# Altium PCB roach2.PcbDoc (part 24 of 39) (continued)
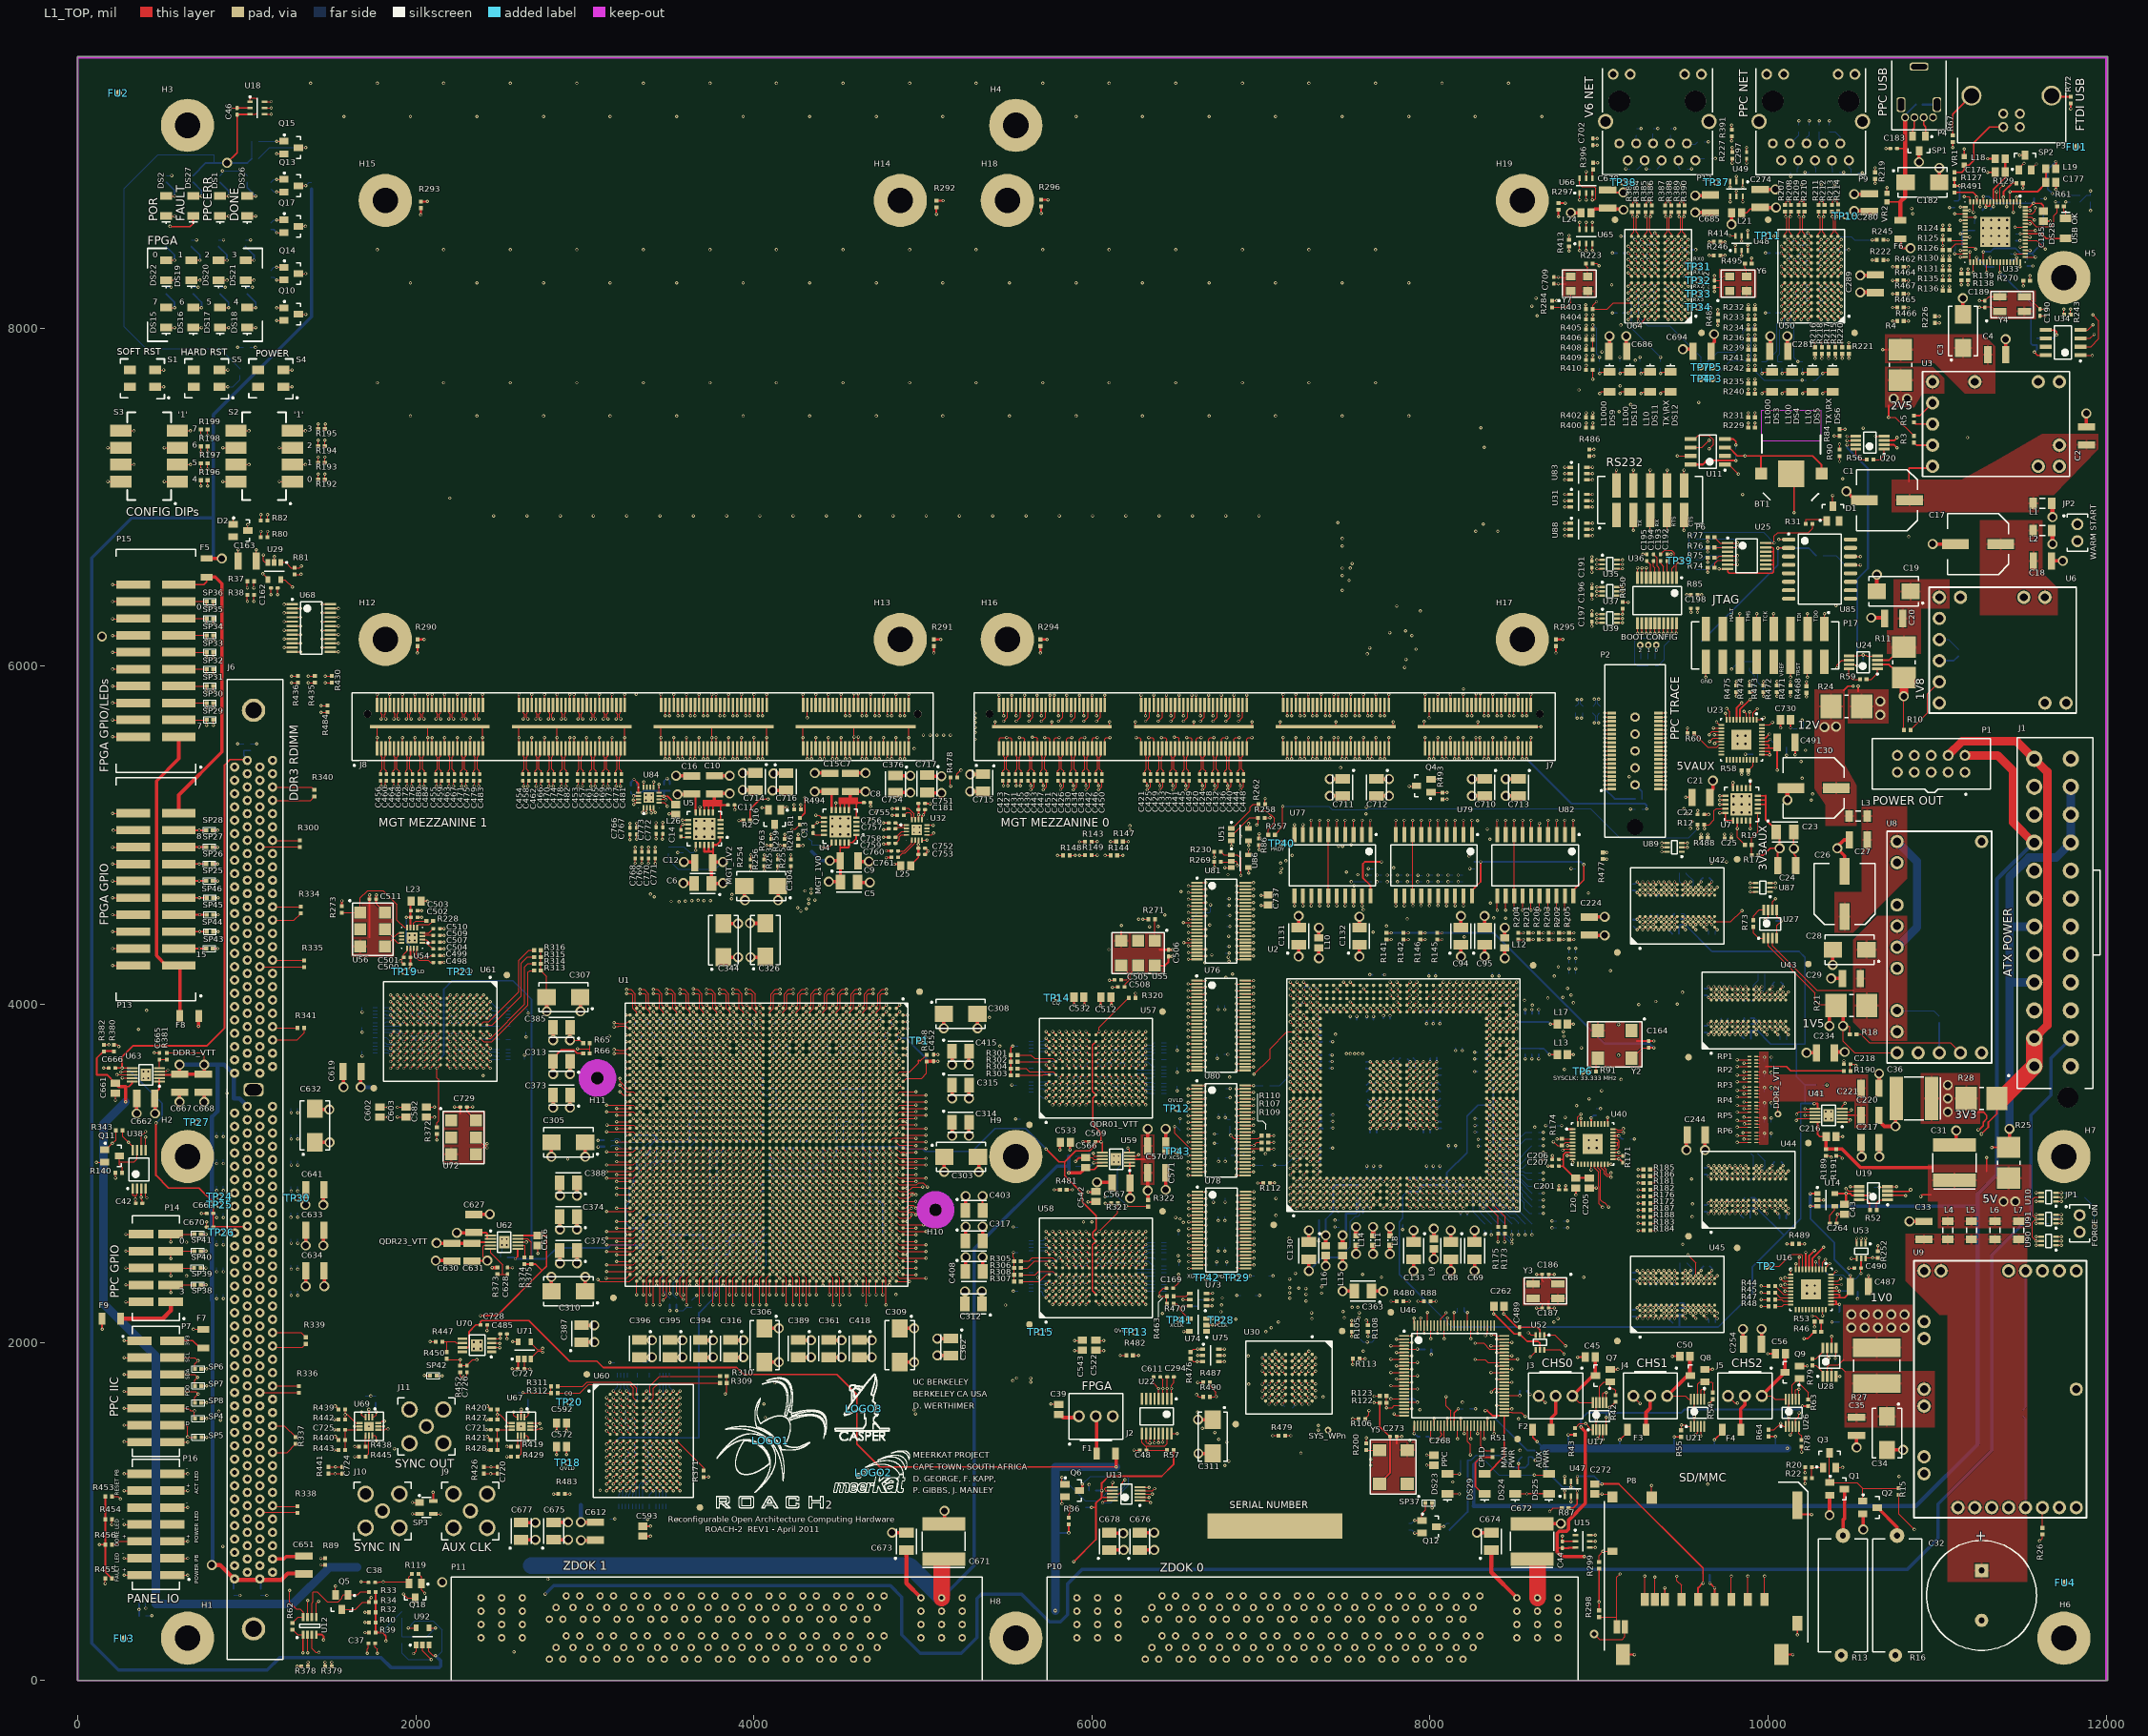
[diagram p0: L1_TOP view]
## Nets (pads, with @x,y where several pads share a name; then routed paths per layer and width w, separated by ;. In a path a pad name is that pad's centre, name@x,y a point inside that pad or via, vN(x,y) a via of type N, cw(c..) or ccw(c..) an arc to the next point about the centre after c; other vN are vias at no path point) (continued)
NetJ2_3: J2.3 R36.1 U13.1 | length 1324.4
  L1_TOP w5: R36.1@5862.99,962.68 5862.99,984.79 5868.99,990.79 v2(5868.99,1028.99) ; U13.1@6283.7,1063.62 6334.36,1063.62 v2(6346.99,1050.99)
  L8_R w3.8: v2(5868.99,1028.99) 5890.99,1050.99 5945.96,1050.99 5949.36,1047.59 6044.33,1047.59 6056.53,1035.39 6139.74,1035.39 6155.34,1050.99 v2(6346.99,1050.99)
  L9_R w3.8: v2(5868.99,1028.99) 5950.67,1028.99 5996.85,1075.17 5996.85,1117.85 6096.99,1217.99 6096.99,1431.79 6116.99,1451.79 6116.99,1556.99 J2.3@6122.99,1562.99
NetJ3_3: J3.3 R43.1 U17.1 | length 481.2
  L1_TOP w5: J3.3@8642.99,1682.99 v2(8680.99,1644.99) ; R43.1@8857.99,1492.68 8884.31,1518.99 v2(8920.99,1518.99) 8944.99,1494.99 8944.99,1488.99 8951.7,1482.28 U17.1@8963.62,1482.28
  L3_S w3.8: v2(8680.99,1644.99) 8806.99,1518.99 v2(8920.99,1518.99)
NetJ4_3: J4.3 R55.1 U21.1 | length 449
  L1_TOP w5: J4.3@9202.99,1682.99 9202.99,1678.99 v2(9242.99,1638.99) ; R55.1@9484.99,1480.68 9486.99,1482.68 v2(9486.99,1510.99) 9512.09,1510.99 9520.8,1502.28 U21.1@9543.62,1502.28
  L3_S w3.8: v2(9242.99,1638.99) 9370.99,1510.99 v2(9486.99,1510.99)
NetJ5_3: J5.3 R64.1 U26.1 | length 502.5
  L1_TOP w5: J5.3@9762.99,1682.99 9804.99,1640.99 v2(9818.99,1640.99) ; R64.1@10002.99,1482.68 10035.78,1482.68 v2(10074.09,1520.99) 10092.8,1502.28 U26.1@10103.62,1502.28
  L3_S w3.8: v2(9818.99,1640.99) 9930.99,1640.99 10050.99,1520.99 v2(10074.09,1520.99)
NetJ6_53: J6.53 TP27.1 | length 326.8
  L5_S w5: TP27.1@702.99,3302.99 818.99,3302.99 883.72,3238.27 J6.53@1002.99,3238.27
NetJ6_63: J6.63 TP24.1 | length 172.6
  L5_S w5: TP24.1@837.99,2862.99 876.99,2862.99 895.42,2844.57 J6.63@1002.99,2844.57
NetJ6_64: J6.64 TP25.1 | length 93.4
  L5_S w5: TP25.1@837.99,2812.99 868.99,2812.99 876.79,2805.2 J6.64@928.19,2805.2
NetJ6_68: J6.68 TP26.1 | length 69.2
  L5_S w5: TP26.1@859,2647.72 J6.68@928.19,2647.72
NetJ6_118: J6.118 R377.1 R378.1 | length 1604.2
  L1_TOP w5: v3(1298.65,83.2) 1298.85,82.99 R378.1@1323.31,82.99
  L3_S w3.8: v2(438.99,382.99) 402.99,382.99 384.99,400.99 384.99,452.99 458.99,526.99 806.99,526.99 852.99,572.99 852.99,646.99 885.21,679.21 J6.118@928.19,679.21
  L8_R w3.8: J6.118@928.19,679.21 962.99,644.41 962.99,588.99 1026.99,524.99 1026.99,451.01 1132,346 1132,249.84 v3(1298.65,83.2)
  L16_BOT w5: R377.1@402.68,382.99 v2(438.99,382.99)
NetJ6_187: J6.187 TP30.1 | length 272.1
  L5_S w5: J6.187@1152.6,2687.09 1207.09,2687.09 1230.99,2710.99 1230.99,2760.99 1262.99,2792.99 1286.99,2792.99 1297.99,2803.99 TP30.1@1297.99,2852.99
NetJ6_238: J6.238 R376.1 R379.1 | length 1743.4
  L1_TOP w5: R379.1@1463.31,82.99 1463.31,107.45 v3(1463.51,107.65)
  L3_S w3.8: v2(402.99,426.99) 942.99,426.99 1044.34,528.34 1044.34,633.93 1077.8,667.39 J6.238@1077.8,679.21
  L8_R w3.8: J6.238@1077.8,679.21 1119.14,637.87 1119.14,625.98 1166.99,578.13 1166.99,262.99 1346.99,82.99 1390.99,82.99 1415.65,107.65 v3(1463.51,107.65)
  L16_BOT w5: R376.1@402.68,462.99 402.68,427.31 v2(402.99,426.99)
NetJ7_D17: J7.D17 Q4.1 R493.2 | length 658
  L1_TOP w5: v3(7994.99,5694.99) J7.D17@7994.99,5769.2 ; J7.D17@7997.28,5772.7 J7.D17@7998.57,5773.99 ; Q4.1@8006.3,5255.59 8009.21,5252.68 R493.2@8072.99,5252.68 8100.68,5252.68 v2(8100.99,5252.99)
  L12_S w3.8: v3(7994.99,5694.99) 8012.99,5676.99 8012.99,5558.99 8040.99,5530.99 8040.99,5402.99 8100.99,5342.99 v2(8100.99,5252.99)
NetJ8_D17: J8.D17 Q16.1 R494.2 | length 792.6
  L1_TOP w5: Q16.1@4168.99,5166.99 v2(4195.65,5166.99) ; R494.2@4238.31,5152.99 v2(4238.31,5179.65) ; v3(4314.99,5694.99) J8.D17@4314.99,5769.2 ; J8.D17@4317.28,5772.7 J8.D17@4318.57,5773.99
  L8_R w3.8: v2(4195.65,5166.99) 4225.65,5166.99 v2(4238.31,5179.65) 4262.99,5204.34 4262.99,5308.99 4222.99,5348.99 4222.99,5662.99 4254.99,5694.99 v3(4314.99,5694.99)
NetJ11_1: J11.1 R447.2 SP42.1 | length 587
  L1_TOP w5: v2(2050.99,1803.99) 2051.99,1802.99 SP42.1@2083.62,1802.99 ; v2(2084.68,2004.99) 2085.68,2003.99 R447.2@2117.31,2003.99
  L14_S w3.8: J11.1@2062.99,1502.99 2062.99,1791.99 v2(2050.99,1803.99) 2050.99,1971.31 v2(2084.68,2004.99)
NetJP1_1: JP1.1 R41.2 U10.3 U10.6 | length 558.2
  L1_TOP w5: v2(11585.26,2834.41) U10.6@11616.69,2834.41 ; U10.3@11703.31,2885.59 v2(11734.74,2885.59)
  L5_S w5: v2(11585.26,2834.41) 11611.67,2808 11657.15,2808 v2(11734.74,2885.59)
  L8_R w5: v2(11734.74,2885.59) 11767.41,2885.59 11842.99,2810.01 JP1.1@11842.99,2752.99
  L16_BOT w5: v2(11734.74,2885.59) 11804.72,2885.59 R41.2@11830.31,2860
NetJP2_1: JP2.1 U92.1 | length 16468.4
  L1_TOP w5: v7(1986,159) 2002.6,175.6 U92.1@2002.6,208.82
  L3_S w3.94: v7(1986,159) 2092,53 11245,53 11926,734 11926,2669.83 11913.32,2682.5 11913.32,6756.68 JP2.1@11830,6840
NetP3_5: P3.5 R67.2 | length 280.9
  L1_TOP w10: R67.2@11093,9140.69 11093,9266.07 11196.61,9369.69 P3.5@11202.99,9376.06
NetP3_6: P3.6 R72.2 | length 115.6
  L1_TOP w10: P3.6@11677.01,9376.06 11683.39,9369.69 R72.2@11790,9369.69
NetP6_2: P6.2 U36.17 | length 832.7
  L1_TOP w5: v2(9202.99,6804.99) P6.2@9202.99,6895.59 ; v2(9381.38,6195.46) U36.17@9381.38,6254.15
  L9_R w3.8: v2(9202.99,6804.99) 9202.99,6426.99 9381.38,6248.61 v2(9381.38,6195.46)
NetP6_3: P6.3 U36.16 | length 1009.2
  L1_TOP w5: v3(9302.99,6804.99) P6.3@9302.99,6895.59 ; v2(9355.79,6195.46) U36.16@9355.79,6254.15
  L9_R w3.8: v3(9302.99,6804.99) 9256.99,6850.99 9204.99,6850.99 9174.99,6820.99 9174.99,6414.99 9355.79,6234.2 v2(9355.79,6195.46)
NetP6_4: P6.4 U36.8 | length 726.8
  L1_TOP w5: U36.8@9279.02,6523.83 v2(9279.02,6582.53) ; v3(9402.99,6804.99) P6.4@9402.99,6895.59
  L9_R w3.8: v2(9279.02,6582.53) 9398.53,6582.53 9542.99,6726.99 9542.99,6814.99 9516.99,6840.99 9438.99,6840.99 v3(9402.99,6804.99)
NetP6_5: P6.5 U36.9 | length 502.1
  L1_TOP w5: U36.9@9253.43,6523.83 v2(9253.43,6582.53) ; v2(9502.99,6804.99) P6.5@9502.99,6895.59
  L9_R w3.8: v2(9253.43,6582.53) 9253.43,6601.43 9328.99,6676.99 9374.99,6676.99 v2(9502.99,6804.99)
NetP7_4: P7.4 R145.1 SP6.2 U2.AC34 | length 13905.3
  L1_TOP w5: P7.4@560.43,1910 691.98,1910 v2(710.99,1890.99) 692.99,1872.99 SP6.2@692.99,1842.99 ; R145.1@8042.99,4383.31 8070.68,4383.31 v2(8070.99,4383.62) ; U2.AC34@8059.53,4112.6 v1(8079.21,4132.28)
  L8_R w3.8: v2(710.99,1890.99) 765.79,1945.79 765.79,2056.81 611.79,2210.81 611.79,2321.73 626.59,2336.53 626.59,2349.45 595.39,2380.65 595.39,2611.36 611.79,2627.76 611.79,2829.79 816.99,3034.99 816.99,3042.25 807.71,3051.53 807.71,3064.45 816.99,3073.74 816.99,3202.25 807.71,3211.53 807.71,3224.45 810.3,3227.05 810.3,3320.3 790.99,3339.61 790.99,3671.61 783,3679.61 783,5419 835.79,5471.79 835.79,5791.17 1136.62,6092 1280,6092 1296,6108 1388,6108 1400.77,6095.23 1499.23,6095.23 1516,6112 1658,6112 1750,6020 2288,6020 2300,6032 5082,6032 5340,6290 5770,6290 5910,6150 ; 5912,6148 7603.98,6148 v2(7642.99,6108.99)
  L9_R w3.8: v2(7742.99,4462.99) 7860.99,4462.99 7918.99,4404.99 7972.99,4404.99 7994.36,4383.62 v2(8070.99,4383.62)
  L14_S w3.8: v2(7642.99,6108.99) 7696.88,6055.1 7696.88,5826.82 7686.99,5816.93 7686.99,5603.77 7696.88,5593.88 7696.88,5571.82 7686.99,5561.93 7686.99,4816.99 7702.99,4800.99 7702.99,4502.99 v2(7742.99,4462.99) ; v2(8070.99,4383.62) 8079.21,4375.4 v1(8079.21,4132.28)
NetP7_6: P7.6 R146.1 SP7.2 U2.AC32 | length 13897.5
  L1_TOP w5: P7.6@560.43,1810 691.98,1810 v2(708.99,1792.99) 692.99,1776.99 SP7.2@692.99,1742.99 ; R146.1@7942.99,4383.31 7970.68,4383.31 v2(7970.99,4383.62) ; U2.AC32@8059.53,4033.86 v1(8079.21,4053.54)
  L8_R w3.8: v2(708.99,1792.99) 708.99,1836.99 781.59,1909.59 781.59,2063.36 627.59,2217.36 627.59,2326.5 634.39,2333.3 634.39,2357.6 620.19,2371.8 620.19,2530.13 626.59,2536.53 626.59,2549.45 620.19,2555.86 620.19,2613.81 627.59,2621.21 627.59,2823.25 838.91,3034.56 838.91,3064.45 832.79,3070.57 832.79,3205.41 838.91,3211.53 838.91,3314.04 803.2,3349.75 803.2,3681.75 798,3686.95 798,5411.66 851.59,5465.25 851.59,5784.63 1136.61,6069.64 1660.03,6069.64 1769.95,5959.73 5549.58,5959.73 5632.85,6043 7599,6043 v2(7628.99,6072.99)
  L9_R w3.8: v2(7662.99,4426.99) 7696.99,4426.99 7722.99,4400.99 7892.99,4400.99 7910.36,4383.62 v2(7970.99,4383.62)
  L14_S w3.8: v2(7628.99,6072.99) 7662.99,6038.99 7662.99,5731.94 7671.88,5723.05 7671.88,5701.24 7665.68,5695.04 7665.68,5474.25 7671.88,5468.05 7671.88,5446.24 7663.59,5437.95 7663.59,4427.59 v2(7662.99,4426.99) ; v2(7970.99,4383.62) 8028.36,4383.62 8063.61,4348.37 8063.61,4069.14 v1(8079.21,4053.54)
NetP7_8: P7.8 SP8.2 U2.AB31 | length 13926.3
  L1_TOP w5: P7.8@560.43,1710 697.98,1710 v2(712.99,1694.99) 692.99,1674.99 SP8.2@692.99,1642.99 ; U2.AB31@8020.16,3994.49 v1(8039.84,4014.17)
  L8_R w3.8: v2(712.99,1694.99) 756.99,1694.99 813.19,1751.19 813.19,2076.45 659.19,2230.45 659.19,2810.16 878.28,3029.24 878.28,3064.45 864.39,3078.34 864.39,3197.64 878.28,3211.53 878.28,3319.36 811,3386.64 811,5379.97 883.19,5452.16 883.19,5771.54 1131.66,6020 1580,6020 1668,5932 7748,5932 v2(7856.99,6040.99)
  L14_S w3.8: v2(7856.99,6040.99) 7866.39,6031.59 7866.39,5453.43 7951.19,5368.63 7951.19,5107.29 7963.59,5094.89 7963.59,5081.96 7951.19,5069.56 7951.19,4774.36 7952.39,4773.16 7952.39,4684.39 7918.99,4650.99 7918.99,4544.99 7950.99,4512.99 7950.99,4368.99 8055.44,4264.54 8055.44,4047.08 8039.84,4031.48 v1(8039.84,4014.17)
NetP16_2: P16.2 R455.2 | length 253
  L1_TOP w5: v2(163.31,572.99) R455.2@163.31,602.99 ; v2(275.03,622.99) P16.2@365.55,622.99
  L8_R w3.8: v2(163.31,572.99) 213.31,622.99 v2(275.03,622.99)
NetP16_5: P16.5 R454.2 | length 612.3
  L1_TOP w5: v2(202.68,922.99) R454.2@202.68,952.99 ; P16.5@560.43,822.99 v2(650.95,822.99)
  L3_S w5: v2(202.68,922.99) 262.68,862.99 612.99,862.99 651.97,824.01 v2@652.99,822.99
NetP16_6: P16.6 R456.2 | length 185.3
  L1_TOP w5: R456.2@202.68,802.99 230.99,802.99 250.99,822.99 P16.6@365.55,822.99 P16.6@355.55,832.99
NetP16_11: P16.11 R453.2 | length 565.7
  L1_TOP w5: R453.2@202.68,1087.99 237.99,1087.99 v2(252.99,1072.99) ; P16.11@560.43,1122.99 v2(650.95,1122.99)
  L5_S w5: v2(252.99,1072.99) 600.95,1072.99 v2(650.95,1122.99)
NetP17_1: P17.1 R471.2 | length 600.6
  L1_TOP w5: R471.2@10132.28,5886.14 v3(10132.28,5910.14) v3@10132.28,5912.14 ; P17.1@10332.99,6220.43 v2(10332.99,6311.03)
  L9_R w3.8: v3(10132.28,5910.14) 10178.99,5956.85 10178.99,6157.03 v2(10332.99,6311.03)
NetP17_3: P17.3 R472.2 | length 592
  L1_TOP w5: R472.2@10052.99,5886.14 v3(10052.99,5910.14) v3@10052.99,5912.14 ; P17.3@10232.99,6220.43 v2(10232.99,6311.03)
  L9_R w3.8: v3(10052.99,5910.14) 10052.99,6131.03 v2(10232.99,6311.03)
NetP17_4: P17.4 R473.1 | length 405.8
  L1_TOP w5: R473.1@9972.28,5886.14 v3(9972.28,5910.14) v3@9972.28,5912.14 ; v2(10232.99,5934.95) P17.4@10232.99,6025.55
  L8_R w3.8: v3(9972.28,5910.14) 10019.13,5956.99 10162.99,5956.99 10185.03,5934.95 v2(10232.99,5934.95)
NetP17_7: P17.7 R474.2 | length 575.8
  L1_TOP w5: R474.2@9892.28,5886.14 v3(9892.28,5910.14) v3@9892.28,5912.14 ; P17.7@10032.99,6220.43 v2(10032.99,6311.03)
  L9_R w3.8: v3(9892.28,5910.14) 9892.28,6014.28 9984.99,6106.99 9984.99,6263.03 v2(10032.99,6311.03)
NetP17_9: P17.9 R475.2 | length 567.5
  L1_TOP w5: R475.2@9812.28,5886.14 v3(9812.28,5910.14) v3@9812.28,5912.14 ; P17.9@9932.99,6220.43 v2(9932.99,6311.03)
  L9_R w3.8: v3(9812.28,5910.14) 9812.28,6046.28 9932.99,6166.99 v2(9932.99,6311.03)
NetQ1_1: Q1.1 Q2.1 Q3.3 R15.1 | length 675.5
  L1_TOP w5: Q3.3@10362.99,1346.3 10362.99,1172.09 Q1.1@10364.68,1170.39 10525.59,1170.39 10559.68,1136.3 ; Q2.1@10559.68,1060.39 10559.68,1136.3 ; R15.1@10772.99,1137.68 10771.61,1136.3 10559.68,1136.3
NetQ1_3: Q1.3 R13.1 | length 279.1
  L1_TOP w20: R13.1@10442.99,857.32 10442.99,948.99 10451.3,957.3 Q1.3@10451.3,1132.99
NetQ2_3: Q2.3 R16.1 | length 214
  L1_TOP w20: Q2.3@10646.3,1022.99 10762.99,906.3 R16.1@10762.99,857.32
NetQ3_1: Q3.1 R20.1 R22.2 | length 131.7
  L1_TOP w5: R22.2@10258.68,1196.99 R20.1@10258.68,1261.18 10324.09,1261.18 Q3.1@10325.59,1259.68
NetQ4_3: Q4.3 U32.8 | length 3097.2
  L1_TOP w5: U32.8@4993.52,4970.97 v2(5024.99,4970.99) ; v2(7876.99,5290.99) 7877.31,5291.31 Q4.3@7904.99,5291.31
  L9_R w3.8: v2(5024.99,4970.99) 5068.99,4970.99 5436.99,5338.99 7180.99,5338.99 7244.99,5274.99 7860.99,5274.99 v2(7876.99,5290.99)
NetQ5_1: Q5.1 R33.1 U12.6 | length 535.3
  L1_TOP w5: U12.6@1385.79,374.57 1385.79,457.79 1392.99,464.99 1392.99,522.68 1392.68,522.99 1417.14,522.99 1475.14,464.99 1540.72,464.99 1562.99,487.27 1562.99,495.99 1573.3,506.3 Q5.1@1600.39,506.3 1656.3,506.3 1672.99,522.99 R33.1@1723.31,522.99
NetQ6_1: Q6.1 R35.1 U13.8 | length 669.2
  L1_TOP w5: Q6.1@5822.99,1166.99 v2@5822.99,1198.99 ; U13.8@6122.28,1102.99 6158.51,1102.99 6170.51,1114.99 6170.51,1162.51 v2(6194.99,1186.99)
  L16_BOT w5: v2(5822.99,1200.99) 5961.31,1062.68 R35.1@5962.99,1062.68 6040.68,1062.68 6110.99,1132.99 6176.99,1132.99 6194.99,1150.99 v2(6194.99,1186.99)
NetQ7_1: Q7.1 R42.1 U17.8 | length 266.4
  L1_TOP w5: U17.8@9002.99,1643.7 9002.99,1739.94 9028.65,1765.59 Q7.1@9066.3,1765.59 9066.3,1736.79 9078.09,1724.99 9086.99,1724.99 9097.99,1713.99 R42.1@9097.99,1687.68
NetQ8_1: Q8.1 R54.1 U21.8 | length 243.6
  L1_TOP w5: U21.8@9582.99,1663.7 9582.99,1752.99 9595.59,1765.59 Q8.1@9626.3,1765.59 9666.39,1765.59 9672.99,1758.99 R54.1@9672.99,1702.68
NetQ9_1: Q9.1 R63.1 U26.8 | length 287.6
  L1_TOP w5: U26.8@10142.99,1663.7 10142.99,1748.09 10180.49,1785.59 Q9.1@10186.3,1785.59 10186.3,1753.68 10237.99,1701.99 R63.1@10237.99,1662.68
NetQ11_3: Q11.3 R140.1 U38.7 | length 269.8
  L1_TOP w5: Q11.3@246.3,3102.99 246.3,3066.99 ; R140.1@262.68,3002.99 262.68,3033.31 246.3,3049.68 246.3,3066.99 ; U38.7@350.2,3136.18 350.2,3084.2 332.99,3066.99 246.3,3066.99
NetQ15_1: Q15.1 Q17.3 R289.1 | length 766.6
  L1_TOP w5: v2(1177.42,9105.89) Q15.1@1219.68,9105.89 ; Q17.3@1305.61,8602.99 Q17.3@1306.3,8602.99 v2(1347.87,8602.99)
  L3_S w5: v2(1177.42,9105.89) 1258.99,9024.33 1258.99,8691.87 v2(1347.87,8602.99)
  L16_BOT w5: R289.1@1069.18,9104.99 1176.52,9104.99 v2(1177.42,9105.89)
NetQ16_3: Q16.3 U84.8 | length 911.4
  L1_TOP w5: U84.8@3439.02,5252.52 v2(3438.99,5300.99) ; v3(4126.99,5022.33) Q16.3@4126.99,5048.99
  L8_R w3.8: v2(3438.99,5300.99) 3539.09,5300.99 3583.42,5256.67 3583.42,5200.56 3658.99,5124.99 3974.99,5124.99 4077.65,5022.33 v3(4126.99,5022.33)
NetR3_1: R3.1 U3.9 | length 116.3
  L1_TOP w10: R3.1@10862.99,7323.31 10878.31,7307.99 U3.9@10972.99,7307.99
NetR5_2: R5.2 U3.8 | length 114.3
  L1_TOP w10: R5.2@10862.99,7443.31 10873.31,7432.99 U3.8@10972.99,7432.99
NetR6_1: R6.1 R8.2 U4.16 | length 190.9
  L1_TOP w5: v2(4398.99,4928.98) 4444.39,4928.98 4459.81,4944.4 U4.16@4459.81,4957.52
  L16_BOT w5: R8.2@4322.99,4983.31 4342.99,4963.31 R6.1@4342.99,4942.68 4385.29,4942.68 v2(4398.99,4928.98)
NetR7_1: R7.1 R9.2 U5.16 | length 213.2
  L1_TOP w5: v2@3655.81,4911.21 U5.16@3655.81,4943.52
  L16_BOT w5: R7.1@3494.99,4932.68 3586.99,4932.68 R9.2@3621.68,4897.99 3643.4,4897.99 v2(3656.21,4910.8)
NetR10_1: R10.1 U6.9 | length 355.5
  L1_TOP w5: R10.1@10842.68,5622.99 10942.99,5723.31 10942.99,5837.99 U6.9@11012.99,5907.99
NetR14_2: R14.2 U6.8 | length 124.3
  L16_BOT w10: U6.8@11012.99,6032.99 11098.68,6032.99 R14.2@11126,6060.31
NetR17_1: R17.1 R19.2 U7.16 | length 263.9
  L1_TOP w5: R17.1@9903.31,4882.99 9903.31,4942.36 R19.2@9902.68,4942.99 9902.68,4984.68 9938.46,5020.46 U7.16@9938.46,5131.81
NetR18_1: R18.1 U8.13 | length 660.9
  L1_TOP w5: R18.1@10522.68,3822.99 10548.99,3822.99 10598.99,3772.99 11077.99,3772.99 U8.13@11137.99,3712.99
NetR23_2: R23.2 U8.12 | length 177.7
  L16_BOT w10: R23.2@11012,3890.31 11012,3713.98 U8.12@11012.99,3712.99
NetR26_1: R26.1 U9.19 | length 120.3
  L1_TOP w5: R26.1@11622.99,902.68 U9.19@11622.99,1022.99
NetR29_1: R29.1 U9.4 | length 827.1
  L16_BOT w10: R29.1@11509,1601.68 11522.99,1615.68 U9.4@11522.99,2422.99
NetR29_2: R29.2 U9.18 | length 545.1
  L16_BOT w10: R29.2@11509,1562.31 11522.99,1548.32 U9.18@11522.99,1022.99
NetR37_1: R37.1 R38.2 U29.4 | length 314.8
  L1_TOP w5: R38.2@1042.68,6422.99 1042.68,6384.9 v2(1043.28,6384.3) ; v2@1042.68,6464.9 R37.1@1042.68,6502.99 ; v2(1096.19,6547.21) 1128.59,6514.81 U29.4@1133.59,6509.81
  L14_S w5: v2(1043.28,6384.3) v2(1043.28,6464.3) 1096.19,6517.21 v2(1096.19,6547.21)
NetR44_1: R44.1 U16.17 | length 112.1
  L1_TOP w5: R44.1@10042.68,2332.99 10042.68,2332.32 10091.54,2283.46 U16.17@10133.9,2283.46
NetR45_1: R45.1 U16.18 | length 103.3
  L1_TOP w5: R45.1@10042.68,2292.99 10071.89,2263.78 U16.18@10133.9,2263.78
NetR46_1: R46.1 R53.1 U16.37 | length 480.6
  L1_TOP w5: v7(10260,2156) 10281.48,2156 R53.1@10314.49,2122.99 ; U16.37@10372.09,2342.52 10433.48,2342.52 v7(10434,2342)
  L1_TOP w10: R46.1@10314.49,2062.99 R53.1@10314.49,2122.99
  L3_S w3.94: v7(10260,2156) 10327,2223 10327,2290 10379,2342 v7(10434,2342)
NetR47_1: R47.1 U16.19 | length 94.9
  L1_TOP w5: R47.1@10042.68,2252.99 10080.01,2252.99 10088.91,2244.09 U16.19@10133.9,2244.09
NetR48_1: R48.1 U16.20 | length 95.9
  L1_TOP w5: R48.1@10042.68,2212.99 10081.9,2212.99 10093.32,2224.41 U16.20@10133.9,2224.41
NetR52_1: R52.1 U19.8 | length 115.1
  L1_TOP w5: U19.8@10539.33,2844.61 10585.38,2844.61 10603.31,2826.68 R52.1@10603.31,2782.99
NetR52_2: R52.2 U19.1 | length 114.8
  L1_TOP w5: R52.2@10642.68,2782.99 10642.68,2826.26 10659.41,2842.99 10705.04,2842.99 U19.1@10706.65,2844.61
NetR56_1: R56.1 U20.8 | length 108.2
  L1_TOP w5: U20.8@10519.33,7284.61 10519.33,7252.65 10548.99,7222.99 R56.1@10583.31,7222.99
NetR56_2: R56.2 U20.1 | length 114.3
  L1_TOP w5: R56.2@10622.68,7222.99 10660.47,7222.99 10691.57,7254.09 10686.65,7259.02 U20.1@10686.65,7284.61
NetR59_1: R59.1 U24.8 | length 114.4
  L1_TOP w5: U24.8@10479.33,5984.61 10478.99,5984.27 10478.99,5942.99 10498.99,5922.99 R59.1@10543.31,5922.99
NetR59_2: R59.2 U24.1 | length 104.7
  L1_TOP w5: R59.2@10582.68,5922.99 10610.99,5922.99 10646.65,5958.65 U24.1@10646.65,5984.61
NetR60_1: R60.1 U23.17 | length 200.3
  L1_TOP w5: R60.1@9562.68,5602.99 9643.67,5522 9698,5522 9711.46,5535.46 U23.17@9723.9,5535.46
NetR61_1: R61.1 U33.60 | length 301
  L1_TOP w5: U33.60@11521.14,8637.89 11551.09,8637.89 11554.57,8634.4 11555.35,8634.4 11564.84,8624.91 11564.84,8624.14 11587.48,8601.5 11672.37,8601.5 11690,8619.13 11690,8666 11710.31,8686.31 R61.1@11710.31,8720
NetR68_1: R68.1 R74.2 U25.5 | length 438.1
  L1_TOP w5: R74.2@9682.68,6582.99 9684.99,6585.31 9684.99,6608.99 9703.4,6627.4 U25.5@9760.79,6627.4 9818.17,6627.4 v2(9818.99,6628.22)
  L16_BOT w5: R68.1@9572.68,6572.99 9642.19,6572.99 9697.42,6628.22 v2(9818.99,6628.22)
NetR69_1: R69.1 R75.2 U25.4 | length 395.7
  L1_TOP w5: R75.2@9682.68,6642.99 9700.99,6642.99 9710.99,6652.99 U25.4@9760.79,6652.99 9818.17,6652.99 v2(9818.99,6653.81)
  L16_BOT w5: R69.1@9572.68,6632.99 9612.99,6632.99 9633.81,6653.81 v2(9818.99,6653.81)
NetR70_1: R70.1 R76.2 U25.2 | length 388.4
  L1_TOP w5: R76.2@9682.68,6702.99 9683.86,6704.17 U25.2@9760.79,6704.17 9818.17,6704.17 v2(9818.99,6704.99)
  L16_BOT w5: R70.1@9572.68,6692.99 9620.99,6692.99 9632.99,6704.99 v2(9818.99,6704.99)
NetR71_1: R71.1 R77.2 U25.1 | length 406
  L1_TOP w5: R77.2@9682.68,6762.99 9715.91,6729.76 U25.1@9760.79,6729.76 9818.17,6729.76 v2(9818.99,6730.58)
  L16_BOT w5: R71.1@9572.68,6752.99 9796.58,6752.99 v2(9818.99,6730.58)
NetR73_1: R73.1 U27.1 | length 110.6
  L1_TOP w5: R73.1@9912.99,4458.31 9912.99,4422.13 9943.98,4391.14 U27.1@9974.61,4391.14
NetR73_2: R73.2 U27.8 | length 101.6
  L1_TOP w5: R73.2@9912.99,4497.68 9912.99,4522.99 9948.46,4558.46 U27.8@9974.61,4558.46
NetR78_2: R78.2 U26.5 | length 86.1
  L1_TOP w5: U26.5@10182.36,1502.28 10182.36,1461.62 10197.99,1445.99 R78.2@10197.99,1422.68
NetR79_1: R79.1 U28.1 | length 101.7
  L1_TOP w5: R79.1@10262.99,1863.31 10283.81,1863.31 10324.61,1822.51 U28.1@10324.61,1799.33
NetR79_2: R79.2 U28.8 | length 101
  L1_TOP w5: R79.2@10262.99,1902.68 10282.68,1902.68 10324.61,1944.61 U28.8@10324.61,1966.65
NetR91_1: R91.1 Y2.3 | length 81.6
  L1_TOP w5: R91.1@8982.68,3602.99 8982.68,3670 Y2.3@8992.99,3680.31
NetR91_2: R91.2 TP6.1 U2.AP23 | length 503.4
  L1_TOP w5: U2.AP23@8492.6,3679.53 v1(8512.28,3699.21) ; TP6.1@8902.99,3602.99 R91.2@8943.31,3602.99
  L14_S w3.8: v1(8512.28,3699.21) 8556.51,3654.99 8858.99,3654.99 8902.99,3610.99 TP6.1@8902.99,3602.99
NetR93_2: R93.2 U2.C9 | length 250.1
  L1_TOP w5: v1(7252.44,3108.66) U2.C9@7272.13,3128.35
  L16_BOT w5: R93.2@7055.99,3047.99 v2(7079.99,3047.99) 7145.99,3047.99 7186.99,3088.99 7232.99,3088.99 7252.55,3108.55 v1@7252.99,3108.99
NetR95_2: R95.2 U2.A20 | length 173.4
  L1_TOP w5: v1(7173.7,3581.1) U2.A20@7193.39,3561.42
  L16_BOT w5: R95.2@7052.68,3519.99 7111.99,3519.99 v1@7172.99,3580.99
NetR97_1: R97.1 U2.K34 | length 865.5
  L1_TOP w5: v1(7528.03,4132.28) U2.K34@7547.72,4112.6 ; v2(7746.99,4724.99) v2@7747.31,4725.31
  L8_R w3.8: v2(7551.88,4701.88) 7638.99,4701.88 ; 7636.99,4699.88 7638.99,4701.88 ; v2(7746.99,4724.99) 7726.99,4744.99 7666.99,4744.99 7650.99,4728.99 7650.99,4713.88 7640.06,4702.94 7638.99,4701.88
  L12_S w3.8: v1(7528.03,4132.28) 7532.39,4136.65 7532.39,4682.39 v2@7549.88,4699.88
  L16_BOT w5: v2@7747.31,4725.31 R97.1@7774.99,4725.31
NetR98_1: R98.1 U2.K31 | length 832.6
  L1_TOP w5: v1(7528.03,4014.17) U2.K31@7547.72,3994.49 ; v2(7686.99,4724.99) v2@7687.31,4725.31
  L12_S w3.8: v1(7528.03,4014.17) 7568.99,4055.14 7568.99,4164.99 7686.99,4282.99 v2(7686.99,4724.99)
  L16_BOT w5: v2@7687.31,4725.31 R98.1@7714.99,4725.31
NetR99_1: R99.1 U2.J34 | length 760.2
  L1_TOP w5: v1(7488.66,4132.28) U2.J34@7508.35,4112.6
  L12_S w3.8: v1(7488.66,4132.28) 7518.99,4162.62 7518.99,4709.62 v2(7534.68,4725.31)
  L16_BOT w5: v2(7534.68,4725.31) R99.1@7654.99,4725.31
NetR100_1: R100.1 U2.U31 | length 778.3
  L1_TOP w5: v1(7803.62,4014.17) U2.U31@7823.31,3994.49 ; v2(7806.99,4724.99) v2@7807.31,4725.31
  L12_S w3.8: v1(7803.62,4014.17) 7803.62,4022.34 7819.22,4037.94 7819.22,4712.76 v2(7806.99,4724.99)
  L16_BOT w5: v2@7807.31,4725.31 R100.1@7834.99,4725.31
NetR101_1: R101.1 U2.V33 | length 718.6
  L1_TOP w5: U2.V33@7862.68,4073.23 v1(7882.36,4092.91) ; v2(7926.99,4724.99) v2@7927.31,4725.31
  L12_S w3.8: v1(7882.36,4092.91) 7897.96,4108.51 7897.96,4554.24 7883.39,4568.81 7883.39,4681.39 v2(7926.99,4724.99)
  L16_BOT w5: v2@7927.31,4725.31 R101.1@7954.99,4725.31
NetR102_1: R102.1 U2.V31 | length 784.3
  L1_TOP w5: U2.V31@7862.68,3994.49 v1(7882.36,4014.17)
  L12_S w3.8: v2(7864.99,4504.99) 7864.99,4722.99 v2(7866.99,4724.99)
  L14_S w3.8: v2(7864.99,4504.99) 7862.99,4502.99 7862.99,4484.99 7852.99,4474.99 7852.99,4354.99 7857.99,4349.99 7857.99,4038.55 v1(7882.36,4014.17)
  L16_BOT w5: v2@7867.31,4725.31 R102.1@7894.99,4725.31
NetR103_1: R103.1 U2.W32 | length 858.7
  L1_TOP w5: U2.W32@7902.05,4033.86 v1(7921.73,4053.54) ; v2(8106.99,4724.99) v2@8107.31,4725.31
  L12_S w3.8: v1(7921.73,4053.54) 7921.73,4070.85 7937.33,4086.45 7937.33,4147.88 7922.39,4162.83 7922.39,4612.39 7988.99,4678.99 8060.99,4678.99 v2(8106.99,4724.99)
  L16_BOT w5: v2@8107.31,4725.31 R103.1@8134.99,4725.31
NetR104_1: R104.1 U2.W31 | length 870.3
  L1_TOP w5: U2.W31@7902.05,3994.49 v1(7921.73,4014.17) ; v2(8046.99,4724.99) v2@8047.31,4725.31
  L12_S w3.8: v1(7921.73,4014.17) 7906.13,4029.77 7906.13,4561.03 7914.59,4569.49 7914.59,4658.59 7954.99,4698.99 8020.99,4698.99 v2(8046.99,4724.99)
  L16_BOT w5: v2@8047.31,4725.31 R104.1@8074.99,4725.31
NetR105_2: R105.2 U2.D10 | length 1446.1
  L1_TOP w5: v1(7291.81,3148.03) U2.D10@7311.5,3167.72 ; v2(7536.99,2128.99) 7537.99,2127.99 R105.2@7537.99,2102.68
  L9_R w3.8: v2(7168.99,2374.99) 7190.99,2352.99 7190.99,2188.99 7220.99,2158.99 7396.99,2158.99 7426.99,2128.99 v2(7536.99,2128.99)
  L12_S w3.8: v2(7168.99,2374.99) 7166.99,2376.99 7166.99,2396.99 7200.99,2430.99 7200.99,2698.99 7229.04,2727.04 7229.04,3039.61 7276.21,3086.78 7276.21,3115.12 7291.81,3130.72 v1(7291.81,3148.03)
NetR107_2: R107.2 U2.B9 | length 267.4
  L1_TOP w5: R107.2@7042.68,3182.99 v2@7074.99,3182.99 ; v1(7213.07,3108.66) U2.B9@7232.76,3128.35
  L3_S w3.8: v2(7075.39,3183.39) 7120.59,3183.39 7122.99,3180.99 7122.99,3137.31 7167.31,3092.99 7197.4,3092.99 v1(7213.07,3108.66)
NetR108_2: R108.2 U2.D9 | length 1436.2
  L1_TOP w5: v1(7291.81,3108.66) U2.D9@7311.5,3128.35 ; v2(7622.99,2130.99) 7632.99,2120.99 R108.2@7632.99,2102.68
  L9_R w3.8: v2(7202.99,2408.99) 7202.99,2230.99 7234.99,2198.99 7420.99,2198.99 7459.39,2160.59 7499.45,2160.59 7501.05,2158.99 7538.99,2158.99 7566.99,2130.99 v2(7622.99,2130.99)
  L12_S w3.8: v2(7202.99,2408.99) 7202.99,2412.99 7211.19,2421.19 7211.19,2690.22 7236.84,2715.87 7236.84,3036.38 7291.81,3091.35 v1(7291.81,3108.66)
NetR109_2: R109.2 U2.D8 | length 307.3
  L1_TOP w5: R109.2@7042.68,3142.99 v2@7074.99,3142.99 ; v1(7291.81,3069.29) U2.D8@7311.5,3088.98
  L3_S w3.8: v2(7075.39,3143.39) 7086.59,3143.39 7145.09,3084.89 7276.21,3084.89 v1(7291.81,3069.29)
NetR110_2: R110.2 U2.A9 | length 243.3
  L1_TOP w5: R110.2@7042.68,3222.99 v2@7074.99,3222.99 ; v1(7173.7,3108.66) U2.A9@7193.39,3128.35
  L3_S w3.8: v2(7075.39,3223.39) 7122.59,3223.39 7144.99,3200.99 7144.99,3137.37 v1(7173.7,3108.66)
NetR111_2: R111.2 U2.V34 | length 767.6
  L1_TOP w5: U2.V34@7862.68,4112.6 v1(7882.36,4132.28) ; v2(7986.99,4724.99) v2@7987.31,4725.31
  L12_S w3.8: v1(7882.36,4132.28) 7886.59,4136.51 7886.59,4543.18 7875.59,4554.18 7875.59,4701.59 7916.99,4742.99 7968.99,4742.99 v2(7986.99,4724.99)
  L16_BOT w5: v2@7987.31,4725.31 R111.2@8014.99,4725.31
NetR112_1: R112.1 U2.A7 | length 200
  L1_TOP w5: R112.1@7045.7,2942.99 R112.1@7052.68,2942.99 7078.99,2942.99 v2(7079.39,2943.39) ; v1(7173.7,3029.92) U2.A7@7193.39,3049.61
  L3_S w3.8: v2(7079.39,2943.39) 7079.39,2957.39 7151.92,3029.92 v1(7173.7,3029.92)
NetR113_2: R113.2 U30.B1 | length 487
  L1_TOP w5: U30.B1@7263.78,1929.13 v1(7283.47,1948.82) ; v2@7543.31,1870.99 R113.2@7543.31,1902.99
  L9_R w3.8: v1(7283.47,1948.82) 7604.82,1948.82 v2(7604.99,1948.99)
  L12_S w3.8: v2(7543.31,1868.99) 7543.31,1887.31 v2(7604.99,1948.99)
NetR115_2: R115.2 U2.AA32 | length 796.4
  L1_TOP w5: U2.AA32@7980.79,4033.86 v1(8000.47,4053.54) ; v2(8166.99,4724.99) v2@8167.31,4725.31
  L12_S w3.8: v1(8000.47,4053.54) 8012.99,4066.06 8012.99,4444.99 8124.99,4556.99 8124.99,4624.99 8166.99,4666.99 v2(8166.99,4724.99)
  L16_BOT w5: v2@8167.31,4725.31 R115.2@8194.99,4725.31
NetR124_1: R124.1 U33.26 | length 229.8
  L1_TOP w5: R124.1@11072.68,8582.99 v2(11072.68,8609.57) ; U33.26@11164.84,8539.46 v3(11192.34,8539.46)
  L12_S w3.8: v2(11072.68,8609.57) 11168.41,8609.57 11192.34,8585.65 v3(11192.34,8539.46)
NetR125_1: R125.1 U33.27 | length 93.5
  L1_TOP w5: R125.1@11072.68,8522.99 11075.89,8519.78 U33.27@11164.84,8519.78
NetR126_1: R126.1 U33.28 | length 107.5
  L1_TOP w5: R126.1@11072.68,8462.99 11109.78,8500.09 U33.28@11164.84,8500.09
NetR127_2: R127.2 R491.2 R492.2 | length 184.9
  L1_TOP w10: R127.2@11102.99,8883.31 R491.2@11102.99,8842.68 11132.68,8842.68 v2(11132.99,8842.99)
  L16_BOT w10: R492.2@11102.99,8752.99 11122.99,8752.99 11132.99,8762.99 v2(11132.99,8842.99)
NetR128_1: R128.1 U2.L3 | length 407.3
  L1_TOP w5: v1(7567.4,2872.44) U2.L3@7587.09,2892.13
  L16_BOT w5: R128.1@7502.99,2542.68 7526.99,2566.68 7526.99,2668.01 ; 7526.96,2668.04 7526.96,2714.96 7558.65,2746.65 7574.93,2746.65 7583.6,2755.32 7583.6,2839.78 7567.4,2855.98 v1(7567.4,2872.44)
NetR129_2: R129.2 U33.6 | length 156.6
  L1_TOP w5: U33.6@11392.2,8747.14 v3(11392.2,8774.64)
  L1_TOP w12: v3(11392.2,8774.64) 11392.2,8806.2 11443.99,8857.99 R129.2@11468.31,8857.99
NetR130_1: R130.1 U33.38 | length 349.2
  L1_TOP w5: R130.1@11072.68,8402.99 v2(11072.68,8429.57) ; v2(11293.78,8330.38) U33.38@11293.78,8390.84
  L9_R w3.8: v2(11072.68,8429.57) 11113.26,8388.99 11212.99,8388.99 11271.6,8330.38 v2(11293.78,8330.38)
NetR131_1: R131.1 U33.39 | length 435
  L1_TOP w5: R131.1@11072.68,8342.99 v2(11072.68,8369.57) ; U33.39@11313.46,8390.84 v3(11313.46,8418.34)
  L9_R w3.8: v2@11074.41,8369.57 v2(11072.68,8369.57) 11208.41,8369.57 11276.99,8300.99 11300.99,8300.99 11313.46,8313.46 v3(11313.46,8418.34)
NetR132_1: R132.1 U33.62 U34.2 | length 1345.6
  L1_TOP w5: U33.62@11521.14,8677.26 11563.78,8677.26 11579.48,8692.96 v2(11579.48,8712.99) ; U34.2@11847.36,7890 11909.69,7890 11956.69,7937.01 11956.69,8043.31 v7(11921.26,8078.74)
  L12_S w5: v2(11579.48,8712.99) 11624.99,8712.99 11682,8770 11737.4,8770 v2(11760.41,8746.99) 11760.41,8538.8 11921.26,8377.95 v7(11921.26,8078.74)
  L16_BOT w5: v2(11760.41,8746.99) R132.1@11786.99,8746.99